# Altium PCB OpenCore_Carrier_Board.PcbDoc (part 3 of 5)
Units mm, origin at the board's own origin, x right, y up, seen from the top; angles counter-clockwise.
Board outline 161.24 x 91.44 mm, 6 copper layers (TOP, L2 GND, L3 PWR, L4 SIG, L5 GND, BOT), stack 1.538 mm thick; 268 components, 173 nets, 1302 pads, 1165 vias.
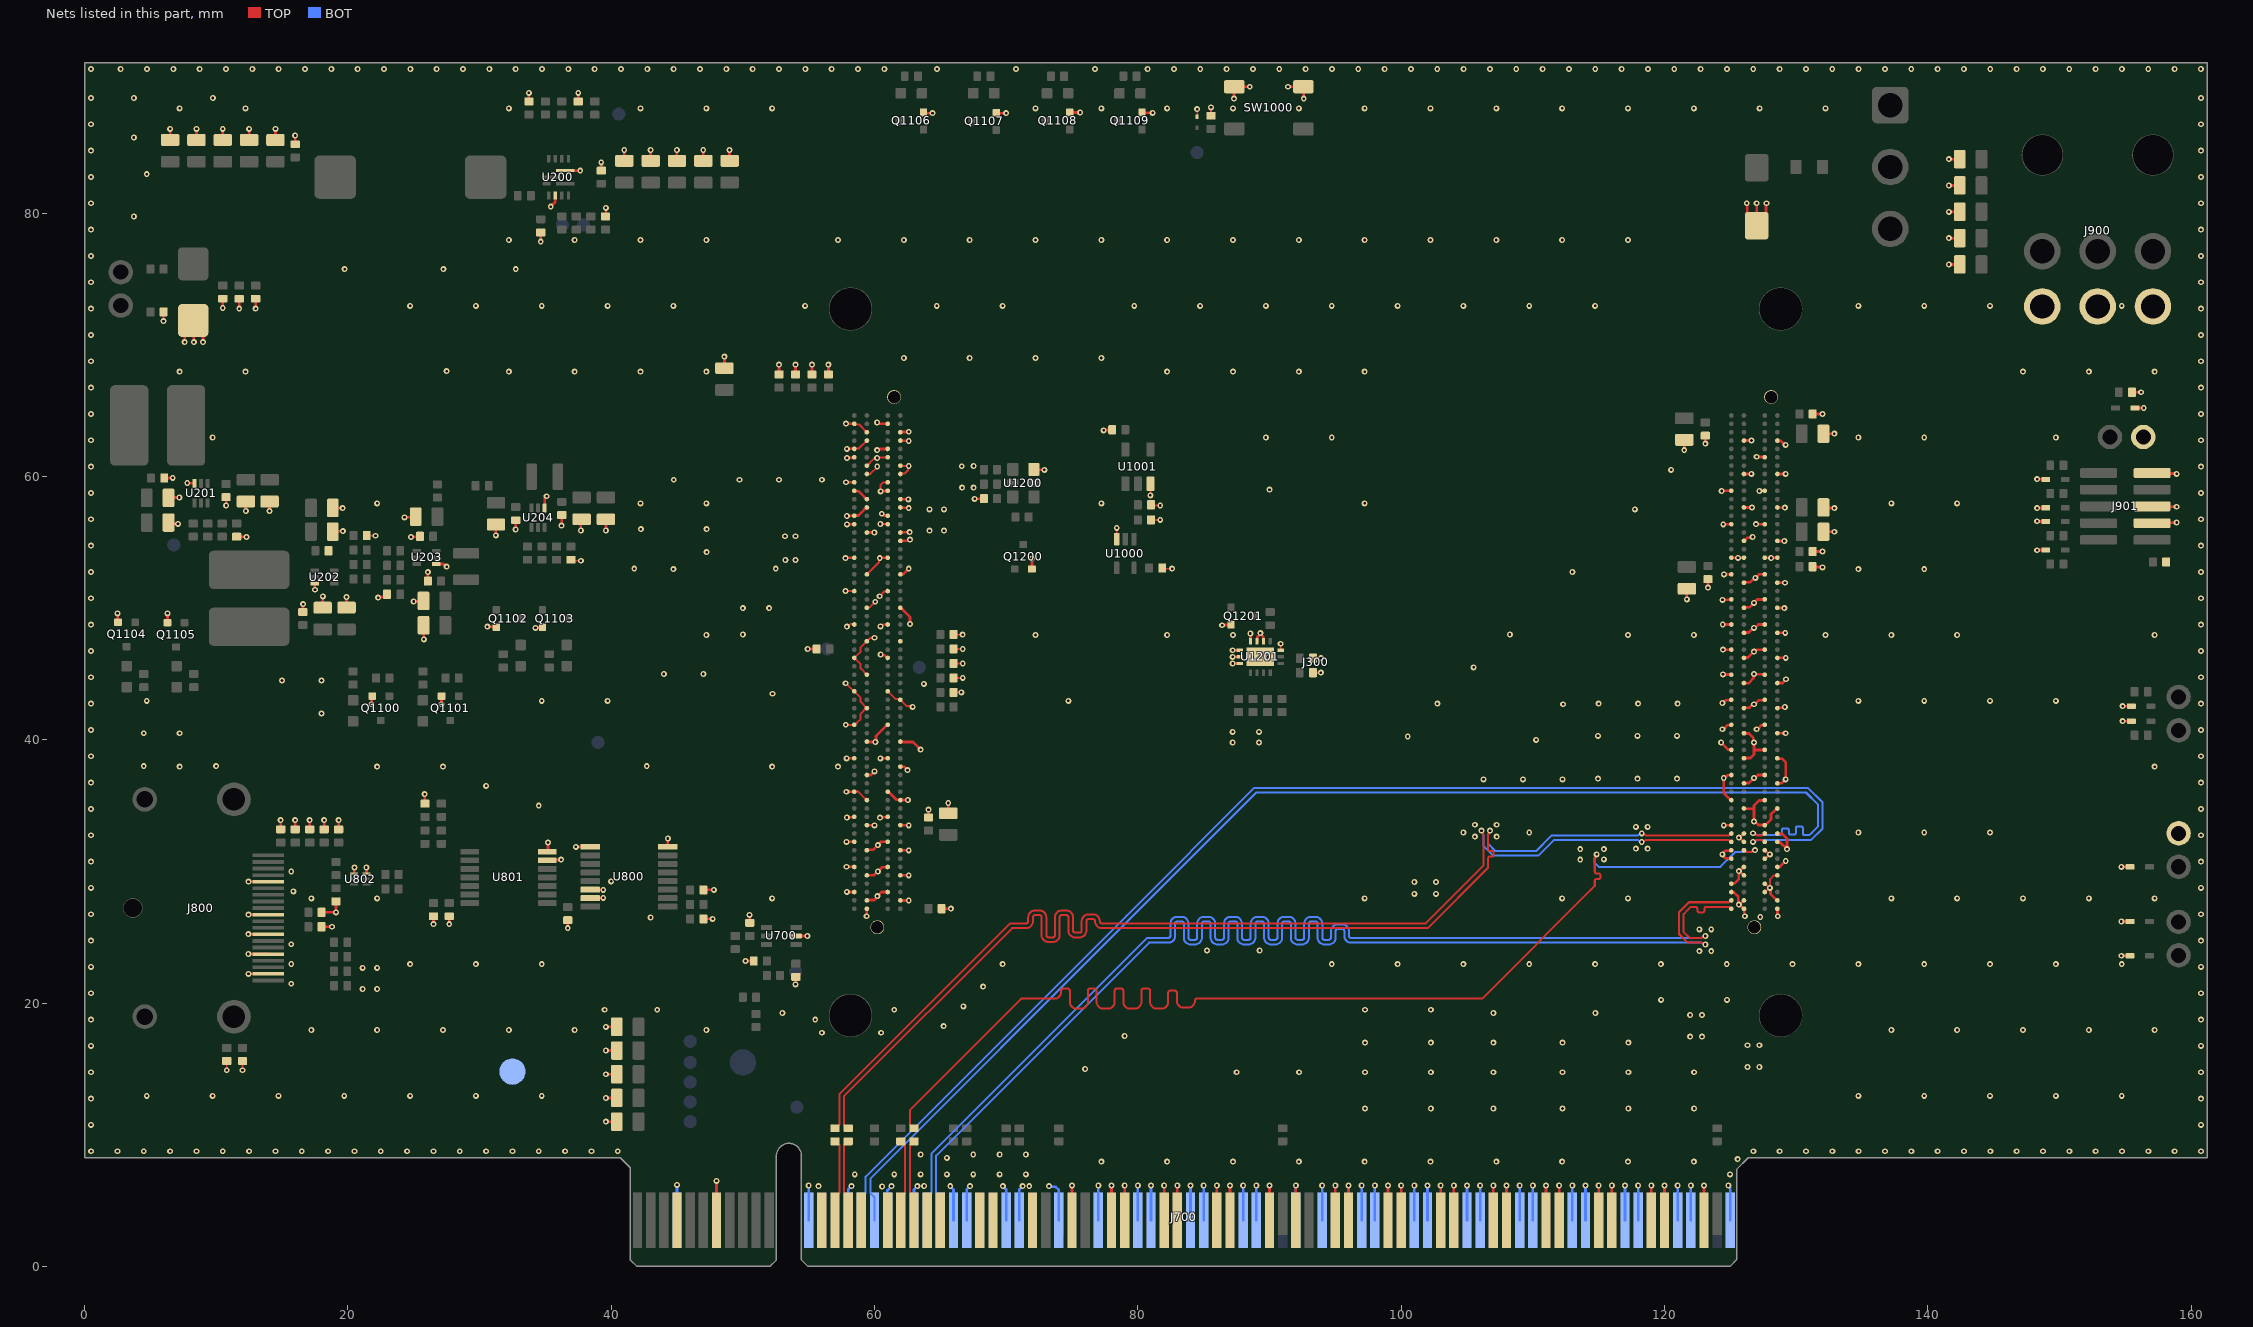
[diagram p7: the nets of this part, all layers, seen from the top]

## Via types
v1: diameter 0.45, hole 0.2, TOP to BOT, tented both sides, 1165 vias

## Nets (pads, with @x,y where several pads share a name; then routed paths per layer and width w, separated by ;. In a path a pad name is that pad's centre, name@x,y a point inside that pad or via, vN(x,y) a via of type N, cw(c..) or ccw(c..) an arc to the next point about the centre after c; other vN are vias at no path point) (continued)
GND: C202.2 C203.2 C204.2 C205.2 C206.2 C207.2 C208.2 C209.2 C210.2 C211.2 C212.2 C213.2 C214.2 C215.2 C218.2 C219.2 C220.2 C221.2 C222.2 C223.2 C224.2 C225.2 C226.2 C227.2 C230.2 C231.2 C232.2 C233.2 C234.2 C235.2 C236.2 C237.2 C238.2 C239.2 C240.2 C241.2 C300.2 C301.2 C302.2 C303.2 C304.2 C400.2 C401.2 C402.2 C403.2 C500.2 C501.2 C502.2 C503.2 C600.2 C601.2 C602.2 C603.2 C604.2 C605.2 C700.2 C701.2 C710.2 C711.2 C712.2 C713.2 C714.2 C802.2 C804.2 C805.2 C809.2 C810.2 C811.2 C812.2 C813.2 C900.2 C901.2 C902.2 C903.2 C904.2 C905.2 C906.2 C907.2 C908.2 C1000.2 C1001.2 C1002.2 C1003.2 C1004.2 C1200.2 C1201.2 C1202.2 D304.A D305.A D400.A D401.A D402.A D900.K D901.A D902.A D903.A D904.A D905.A D906.A D1000.K J300.S1_A2 J300.S1_A5 J300.S1_A8 J300.S1_A11 J300.S1_A14 J300.S1_A18 J300.S1_A21 J300.S1_A26 J300.S1_A33 J300.S1_A37 J300.S1_A41 J300.S1_A45 J300.S1_A46 J300.S1_A49 J300.S1_A50 J300.S1_A53 J300.S1_A54 J300.S1_A57 J300.S1_A58 J300.S1_B3 J300.S1_B6 J300.S1_B9 J300.S1_B12 J300.S1_B15 J300.S1_B19 J300.S1_B23 J300.S1_B27 J300.S1_B31 J300.S1_B35 J300.S1_B39 J300.S1_B43 J300.S1_B47 J300.S1_B48 J300.S1_B51 J300.S1_B52 J300.S1_B55 J300.S1_B56 J300.S1_B59 J300.S1_C1 J300.S1_C2 J300.S1_C5 J300.S1_C8 J300.S1_C11 J300.S1_C14 J300.S1_C17 J300.S1_C21 J300.S1_C25 J300.S1_C29 J300.S1_C33 J300.S1_C37 J300.S1_C41 J300.S1_C46 J300.S1_C49 J300.S1_C50 J300.S1_C53 J300.S1_C54 J300.S1_C57 J300.S1_C58 J300.S1_D3 J300.S1_D6 J300.S1_D9 J300.S1_D12 J300.S1_D15 J300.S1_D19 J300.S1_D23 J300.S1_D27 J300.S1_D31 J300.S1_D35 J300.S1_D39 J300.S1_D43 J300.S1_D47 J300.S1_D48 J300.S1_D51 J300.S1_D52 J300.S1_D55 J300.S1_D56 J300.S1_D59 J300.S1_SH1 J300.S1_SH2 J300.S2_A1 J300.S2_A2 J300.S2_A5 J300.S2_A6 J300.S2_A9 J300.S2_A10 J300.S2_A13 J300.S2_A16 J300.S2_A19 J300.S2_A22 J300.S2_A25 J300.S2_A28 J300.S2_A31 J300.S2_A34 J300.S2_A37 J300.S2_A40 J300.S2_A43 J300.S2_A45 J300.S2_A49 J300.S2_A53 J300.S2_A57 J300.S2_B3 J300.S2_B4 J300.S2_B7 J300.S2_B8 J300.S2_B11 J300.S2_B14 J300.S2_B17 J300.S2_B20 J300.S2_B23 J300.S2_B26 J300.S2_B29 J300.S2_B32 J300.S2_B35 J300.S2_B38 J300.S2_B41 J300.S2_B43 J300.S2_B47 J300.S2_B51 J300.S2_B55 J300.S2_C1 J300.S2_C2 J300.S2_C5 J300.S2_C6 J300.S2_C9 J300.S2_C10 J300.S2_C13 J300.S2_C16 J300.S2_C19 J300.S2_C22 J300.S2_C25 J300.S2_C28 J300.S2_C31 J300.S2_C34 J300.S2_C37 J300.S2_C40 J300.S2_C43 J300.S2_C45 J300.S2_C49 J300.S2_C53 J300.S2_C57 J300.S2_D3 J300.S2_D4 J300.S2_D7 J300.S2_D8 J300.S2_D11 J300.S2_D14 J300.S2_D17 J300.S2_D20 J300.S2_D23 J300.S2_D26 J300.S2_D29 J300.S2_D32 J300.S2_D35 J300.S2_D38 J300.S2_D41 J300.S2_D43 J300.S2_D47 J300.S2_D51 J300.S2_SH1 J300.S2_SH2 J401.2 J403.2 J700.A4 J700.A12 J700.A15 J700.A18 J700.A20 J700.A23 J700.A24 J700.A27 J700.A28 J700.A31 J700.A34 J700.A37 J700.A38 J700.A41 J700.A42 J700.A45 J700.A46 J700.A49 J700.A51 J700.A54 J700.A55 J700.A58 J700.A59 J700.A62 J700.A63 J700.A66 J700.A67 J700.A70 J700.A71 J700.A74 J700.A75 J700.A78 J700.A79 J700.A82 J700.B4 J700.B7 J700.B13 J700.B16 J700.B18 J700.B21 J700.B22 J700.B25 J700.B26 J700.B29 J700.B32 J700.B35 J700.B36 J700.B39 J700.B40 J700.B43 J700.B44 J700.B47 J700.B49 J700.B52 J700.B53 J700.B56 J700.B57 J700.B60 J700.B61 J700.B64 J700.B65 J700.B68 J700.B69 J700.B72 J700.B73 J700.B76 J700.B77 J700.B80 J800.2 J800.5 J800.8 J800.11 J800.16 J900.4 J900.5 J900.6 J901.3 J901.5 J901.9 Q1100.2 Q1101.2 Q1102.2 Q1103.2 Q1104.2 Q1105.2 Q1106.2 Q1107.2 Q1108.2 Q1109.2 Q1200.2 Q1201.2 R204.2 R205.2 R211.2 R212.2 R219.2 R220.2 R300.2 R301.2 R302.2 R303.2 R304.2 R402.2 R708.2 R801.2 R805.2 R806.2 R807.2 R808.2 R809.2 R811.2 R812.2 R905.2 SW1000.1 SW1000.2 TP707.1 U200.2 U200.10 U201.3 U202.3 U203.1 U204.1 U700.2 U800.8 U800.9 U800.14 U800.15 U801.6 U801.7 U802.3 U802.4 U1000.3 U1001.3 U1200.3 U1201.2 U1201.3 U1201.4 U1201.5 U1201.6 U1201.7 U1201.14 U1201.15 | length 431.8
  TOP w0.127: v1(6,71.8) R905.2@6,72.5 ; v1(10.8,14.9) C809.2@10.8,15.6 ; v1(12,14.9) R809.2@12,15.6 ; R212.2@21.432,55.511 21.443,55.5 v1(22.1,55.5) ; R220.2@36.95,53.675 37.025,53.6 v1(37.7,53.6) ; R205.2@39.567,79.751 39.6,79.784 v1(39.6,80.4) ; C403.2@65.9,43.6 C403.2@66,43.6 v1(66.6,43.6) ; R303.2@66,44.7 v1(66.7,44.7) ; R302.2@66,45.8 v1(66.7,45.8) ; R301.2@66,46.9 v1(66.7,46.9) ; R300.2@66,48 66.011,47.989 v1(66.689,47.989) ; U1000.3@78.4,55.25 v1(78.4,56.1) ; U1001.3@80.95,59.45 80.956,59.444 v1(80.956,58.563) ; C1000.2@81,56.7 v1(81.7,56.7) ; C1002.2@81,57.85 81.05,57.8 v1(81.7,57.8) ; C1001.2@81.85,53.05 81.9,53 v1(82.6,53) ; D1000.K@84.5,87.32 v1(84.5,87.9) ; C1003.2@85.55,87.4 85.555,87.405 v1(85.555,88.037) ; v1(90.846,47.297) 90.846,46.804 U1201.14@90.85,46.8
  TOP w0.152: v1(39.247,83.862) 39.247,83.237 C207.2@39.251,83.233 ; v1(57.8,51.3) 57.801,51.299 58.462,51.299 J300.S1_D39@58.463,51.297 ; v1(57.806,44.295) 58.424,43.677 J300.S1_D27@58.463,43.677 58.47,43.677 58.943,43.205 58.943,42.88 59.416,42.407 J300.S1_C25@59.423,42.407 59.394,42.378 59.351,42.378 58.943,41.971 58.943,41.574 58.662,41.293 58.66,41.293 58.504,41.137 J300.S1_D23@58.463,41.137 58.459,41.141 57.82,41.141 v1(57.817,41.145) ; v1(57.9,48.6) 57.981,48.6 58.165,48.785 58.436,48.785 J300.S1_D35@58.463,48.757 ; J300.S1_D15@58.463,36.057 58.781,36.057 59.416,35.422 J300.S1_C14@59.423,35.422 ; J300.S1_D31@58.463,46.217 J300.S1_D31@58.47,46.217 ; J300.S1_D56@58.463,62.092 58.502,62.131 58.82,62.131 59.416,62.727 J300.S1_C57@59.423,62.727 ; J300.S1_D59@58.463,63.997 58.502,63.959 58.82,63.959 59.416,63.362 J300.S1_C58@59.423,63.362 ; J300.S1_C29@59.423,44.947 59.416,44.947 58.943,45.42 58.943,45.745 J300.S1_D31@58.47,46.217 ; J300.S1_C37@59.423,50.027 59.462,50.066 59.637,50.066 v1(60.055,50.484) ; J300.S1_C41@59.423,52.567 59.43,52.567 60.343,53.48 60.343,53.743 v1(60.4,53.8) ; J300.S1_C53@59.423,60.187 59.429,60.194 59.687,60.194 60.206,60.713 v1(60.206,60.762) ; J300.S1_C54@59.423,60.822 59.43,60.822 59.951,61.343 60.143,61.343 v1(60.2,61.4) 60.229,61.429 60.974,61.429 J300.S1_B55@61.003,61.457 ; v1(60,47.75) 59.983,47.733 59.669,47.733 J300.S1_C33@59.423,47.487 59.416,47.487 58.943,47.015 58.943,46.69 J300.S1_D31@58.47,46.217 ; v1(60.392,50.903) 60.759,51.271 60.976,51.271 J300.S1_B39@61.003,51.297 ; v1(60.44,56.388) 60.445,56.383 60.998,56.383 J300.S1_B47@61.003,56.377 ; v1(60.458,48.622) 60.538,48.622 60.674,48.757 J300.S1_B35@61.003,48.757 ; v1@60.491,58.896 v1(60.469,58.874) 60.469,59.369 60.652,59.552 J300.S1_B52@61.003,59.552 ; J300.S1_B27@61.003,43.677 61.01,43.677 61.606,43.081 61.924,43.081 J300.S1_A26@61.963,43.042 61.97,43.042 62.456,42.557 62.843,42.557 v1(62.9,42.5) ; J300.S1_A53@61.963,60.187 62.002,60.226 62.311,60.226 62.543,60.459 62.543,60.743 v1(62.6,60.8) 62.589,60.811 61.974,60.811 J300.S1_A54@61.963,60.822 ; v1(128,28.755) 128.02,28.775 128.02,29.411 128.309,29.7 128.568,29.7 J300.S2_A5@128.575,29.707 ; J300.S2_A49@128.575,57.647 128.579,57.643 129.142,57.643 v1(129.146,57.639)
  TOP w0.203: v1(2.5,49.6) 2.525,49.575 2.525,48.95 Q1104.2@2.55,48.925 ; C224.2@6.053,59.877 6.064,59.888 6.688,59.888 v1(6.7,59.9) ; Q1105.2@6.3,48.9 v1(6.3,49.6) ; C238.2@6.378,56.5 6.478,56.4 v1(7.1,56.4) ; C225.2@6.378,58.377 6.401,58.4 v1(7.2,58.4) ; v1(6.5,86.4) 6.5,85.559 C213.2@6.501,85.558 ; v1(7.6,70.2) 7.6,71.2 D903.A@8.25,71.85 D903.A@8.3,71.8 ; v1(7.8,59.5) 7.816,59.484 8.336,59.484 U201.3@8.353,59.467 ; v1(8.3,70.2) D903.A@8.3,71.8 ; v1(8.5,86.4) 8.5,85.559 C212.2@8.501,85.558 ; v1(9,70.2) 9,71.1 D903.A@8.3,71.8 ; v1(10.5,72.8) C908.2@10.5,73.5 ; v1(10.5,86.4) 10.5,85.559 C211.2@10.501,85.558 ; v1(10.753,57.8) C220.2@10.753,58.427 ; R211.2@11.553,55.427 11.567,55.414 12.287,55.414 v1(12.3,55.4) ; v1(11.75,72.75) C907.2@11.75,73.5 ; v1(12.253,57.375) C219.2@12.253,58.102 ; v1(12.443,23.736) 12.449,23.731 13.944,23.731 J800.5@13.95,23.725 J800.5@13.963,23.713 ; v1(12.443,25.236) 12.449,25.231 13.944,25.231 J800.8@13.95,25.225 ; v1(12.456,22.225) J800.2@13.95,22.225 ; v1(12.456,26.725) J800.11@13.95,26.725 ; v1(12.456,29.225) J800.16@13.95,29.225 ; v1(12.5,86.4) C210.2@12.5,85.559 ; v1(13,72.75) C906.2@13,73.5 ; v1(14.053,57.375) C218.2@14.053,58.102 ; v1(14.5,86.4) 14.5,85.559 C209.2@14.501,85.558 ; C805.2@14.9,33.2 v1(14.9,33.9) ; C804.2@16,33.2 v1(16,33.9) ; v1(16,85.9) 16,85.234 C208.2@16.001,85.233 ; C226.2@16.582,49.711 16.591,49.72 16.591,50.291 v1(16.6,50.3) ; R806.2@17.1,33.2 v1(17.1,33.9) ; U202.3@17.492,51.861 17.496,51.857 17.496,51.404 v1(17.5,51.4) ; R807.2@18,25.8 v1(18.8,25.8) ; R808.2@18,26.9 v1(19.1,26.9) R805.2@19.1,27.725 ; C227.2@18.082,50.036 18.1,50.054 v1(18.1,50.9) ; C813.2@18.2,33.2 v1(18.2,33.9) ; C222.2@18.857,55.811 18.896,55.85 v1(19.618,55.85) ; C221.2@18.857,57.611 18.868,57.6 v1(19.6,57.6) ; R812.2@19.3,33.2 v1(19.3,33.9) ; C239.2@19.9,50.036 v1(19.9,50.845) ; U802.4@20.488,29.827 20.488,30.288 v1(20.5,30.3) ; v1(21.4,30.3) 21.413,30.287 U802.3@21.413,29.827 ; v1(21.8,42.7) 21.825,42.725 21.825,43.288 Q1100.2@21.85,43.313 ; v1(22.3,50.8) 22.347,50.847 22.78,50.847 22.978,51.046 R219.2@22.978,51.054 ; v1(24.3,56.9) 25.099,56.9 C230.2@25.153,56.954 ; v1(24.8,55.4) 24.827,55.427 25.451,55.427 C231.2@25.478,55.454 ; v1(25,50.5) 25.699,50.5 C237.2@25.753,50.554 ; C241.2@25.753,48.7 25.771,48.682 v1(25.771,47.635) ; v1(25.835,35.87) 25.843,35.863 25.843,35.157 R801.2@25.85,35.15 ; C236.2@26.078,52.054 26.078,52.73 v1(26.081,52.733) ; v1(26.5,26) C811.2@26.5,26.6 ; U203.1@26.718,53.354 27.267,53.354 27.471,53.15 v1(27.5,53.15) ; v1(27.1,42.7) 27.112,42.712 27.112,43.301 Q1101.2@27.124,43.313 ; v1(27.7,26) C810.2@27.7,26.6 ; v1(30.6,48.6) 30.625,48.575 31.25,48.575 Q1102.2@31.275,48.55 ; v1(31.242,55.523) 31.242,56.342 C232.2@31.25,56.35 ; v1(32.743,55.978) 32.746,55.982 32.746,56.671 C233.2@32.75,56.675 ; C215.2@33.751,88.483 v1(33.751,89.133) ; v1(34.255,48.5) 34.28,48.525 34.75,48.525 Q1103.2@34.775,48.55 ; v1(34.651,77.833) C214.2@34.651,78.533 ; U204.1@34.95,57.615 34.95,58.283 35.1,58.433 v1(35.1,58.5) ; U801.6@35.15,30.85 35.175,30.875 36.175,30.875 v1(36.2,30.9) ; U801.7@35.15,31.5 35.2,31.55 v1(35.2,32.2) ; v1(35.407,80.493) 35.407,80.512 35.751,80.856 U200.10@35.751,81.333 ; v1(36.223,56.269) 36.236,56.283 36.236,57.061 C234.2@36.25,57.075 ; U200.2@36.501,83.233 v1(37.651,83.233) ; v1(36.7,25.7) C802.2@36.7,26.3 ; v1(37.317,31.873) U800.9@38.412,31.875 ; R204.2@37.501,88.483 v1(37.5,89.137) ; v1(37.7,55.9) 37.7,56.7 C235.2@37.75,56.75 ; U800.15@38.412,27.975 38.425,27.988 39.388,27.988 v1(39.4,28) ; U800.14@38.412,28.625 38.425,28.613 39.388,28.613 v1(39.4,28.6) ; v1(39.6,11) C714.2@40.425,11 ; v1(39.6,12.8) C713.2@40.425,12.8 ; v1(39.6,14.6) C712.2@40.425,14.6 ; v1(39.6,16.4) C711.2@40.425,16.4 ; v1(39.6,18.2) C710.2@40.425,18.2 ; v1(39.6,55.9) C240.2@39.6,56.75 ; v1(40.991,84.799) 40.991,83.978 C206.2@40.997,83.972 ; v1(42.991,84.799) 42.991,83.978 C205.2@42.997,83.972 ; U800.8@44.288,31.875 44.3,31.887 v1(44.3,32.5) ; v1(44.991,84.799) 44.991,83.978 C204.2@44.997,83.972 ; v1(46.991,84.799) 46.991,83.978 C203.2@46.997,83.972 ; C812.2@47,26.4 v1(47.7,26.4) ; R811.2@47,28.6 v1(47.8,28.6) ; J700.B7@48,3.5 v1(48,6.5) ; C302.2@48.6,68.225 v1(48.6,69.1) ; v1(48.991,84.799) 48.991,83.978 C202.2@48.997,83.972 ; v1(50.2,23.2) C701.2@50.825,23.2 ; v1(50.5,26.7) 50.512,26.688 50.512,26.112 R708.2@50.525,26.1 ; C301.2@52.75,68 v1(52.75,68.5) ; v1(54,21.421) 54.013,21.434 54.013,21.987 C700.2@54.025,22 ; C300.2@54,68 v1(54,68.5) ; U700.2@54.05,25.1 v1(54.9,25.1) ; v1(54.925,46.9) R402.2@55.6,46.9 ; C400.2@55.25,68 v1(55.25,68.5) ; C401.2@56.5,68 v1(56.5,68.5) ; v1(57.8,53.8) 57.819,53.819 58.444,53.819 J300.S1_D43@58.463,53.837 ; v1(57.833,64.016) 57.843,64.007 58.454,64.007 J300.S1_D59@58.463,63.997 ; v1(57.837,59.563) 57.842,59.558 58.458,59.558 J300.S1_D52@58.463,59.552 ; v1(57.862,36.055) 57.863,36.056 58.462,36.056 J300.S1_D15@58.463,36.057 ; v1(57.872,30.358) 57.88,30.35 58.455,30.35 J300.S1_D6@58.463,30.342 ; v1(57.874,32.248) J300.S1_D9@58.463,32.247 ; v1(57.888,38.593) 57.89,38.595 58.461,38.595 J300.S1_D19@58.463,38.597 ; v1(57.897,28.45) 57.903,28.444 58.457,28.444 J300.S1_D3@58.463,28.437 ; v1(57.9,34.1) 57.926,34.126 58.437,34.126 J300.S1_D12@58.463,34.152 ; v1(57.9,57) 57.906,57.006 58.457,57.006 J300.S1_D48@58.463,57.012 58.492,57.042 58.774,57.042 59.224,57.492 59.226,57.492 59.382,57.647 J300.S1_C49@59.423,57.647 ; v1(57.9,62.1) 57.904,62.096 58.459,62.096 J300.S1_D56@58.463,62.092 ; v1(57.909,56.365) 57.915,56.371 58.457,56.371 J300.S1_D47@58.463,56.377 ; v1(57.915,61.408) 57.94,61.433 58.438,61.433 J300.S1_D55@58.463,61.457 ; J300.S1_D51@58.463,58.917 58.492,58.888 58.774,58.888 59.224,58.438 59.226,58.438 59.382,58.282 J300.S1_C50@59.423,58.282 ; v1(59.4,26.6) 59.411,26.611 59.411,27.156 J300.S1_C1@59.423,27.167 ; J300.S1_C2@59.423,27.802 59.452,27.832 59.979,27.832 v1@60.272,28.125 ; J300.S1_C5@59.423,29.707 59.438,29.723 59.973,29.723 v1(60.25,30) 60.563,30.313 60.974,30.313 J300.S1_B6@61.003,30.342 ; J300.S1_C8@59.423,31.612 59.452,31.642 59.892,31.642 v1(60.25,32) 60.25,32.005 60.492,32.247 J300.S1_B9@61.003,32.247 ; J300.S1_C11@59.423,33.517 59.432,33.509 59.991,33.509 v1(60,33.5) ; J300.S1_C17@59.423,37.327 59.727,37.327 v1(60,37.6) ; J300.S1_C21@59.423,39.867 59.452,39.838 60.059,39.838 v1(60.068,39.829) 60.115,39.877 60.115,40.293 60.804,40.982 60.806,40.982 60.962,41.137 J300.S1_B23@61.003,41.137 ; J300.S1_C46@59.423,55.742 J300.S1_C46@59.423,55.742 59.982,55.744 v1(59.983,55.745) ; v1(60.2,62) 60.267,62 60.359,62.092 J300.S1_B56@61.003,62.092 ; v1(60.2,64.1) 60.267,64.1 60.369,63.997 J300.S1_B59@61.003,63.997 ; v1@60.231,28.125 60.544,28.437 J300.S1_B3@61.003,28.437 ; v1(60.4,53.8) 60.419,53.819 60.984,53.819 J300.S1_B43@61.003,53.837 ; v1(60.421,34.091) 60.454,34.123 60.974,34.123 J300.S1_B12@61.003,34.152 ; v1(60.446,38.59) 60.449,38.594 60.999,38.594 J300.S1_B19@61.003,38.597 ; v1(60.465,46.475) 60.512,46.428 60.751,46.428 60.962,46.217 J300.S1_B31@61.003,46.217 ; v1@60.491,58.896 60.981,58.896 J300.S1_B51@61.003,58.917 ; v1(60.55,57.171) 60.617,57.171 60.747,57.042 60.974,57.042 J300.S1_B48@61.003,57.012 ; J300.S1_B15@61.003,36.057 61.044,36.057 61.2,35.902 61.202,35.902 61.652,35.452 61.934,35.452 J300.S1_A14@61.963,35.422 61.966,35.425 62.535,35.425 v1(62.537,35.428) ; J300.S1_A2@61.963,27.802 61.964,27.801 62.599,27.801 v1(62.6,27.8) ; J300.S1_A5@61.963,29.707 61.967,29.704 62.596,29.704 v1(62.6,29.7) ; J300.S1_A8@61.963,31.612 61.969,31.606 62.594,31.606 v1(62.6,31.6) ; J300.S1_A11@61.963,33.517 61.972,33.509 62.591,33.509 v1(62.6,33.5) ; J300.S1_A18@61.963,37.962 62.242,37.962 v1(62.503,37.702) ; J300.S1_A21@61.963,39.867 61.99,39.84 62.91,39.84 v1(63.5,39.25) ; J300.S1_A37@61.963,50.027 62.004,50.027 62.16,49.872 62.162,49.872 62.7,49.334 v1(62.7,48.795) ; J300.S1_A41@61.963,52.567 61.992,52.597 62.197,52.597 v1(62.6,53) ; J300.S1_A45@61.963,55.107 62.541,55.107 62.633,55.2 v1(62.7,55.2) ; J300.S1_A46@61.963,55.742 61.992,55.771 v1(62.671,55.771) ; J300.S1_A49@61.963,57.647 61.987,57.624 62.576,57.624 v1(62.6,57.6) ; J300.S1_A50@61.963,58.282 61.975,58.27 62.556,58.27 v1(62.569,58.258) ; J300.S1_A57@61.963,62.727 61.977,62.714 62.586,62.714 v1(62.6,62.7) ; J300.S1_A58@61.963,63.362 61.982,63.381 62.581,63.381 v1(62.6,63.4) ; Q1106.2@63.725,87.65 63.775,87.6 v1(64.4,87.6) ; C303.2@64.1,34.1 v1(64.1,34.7) ; R304.2@65.1,27.175 v1(65.8,27.175) ; C304.2@65.6,34.425 v1(65.6,35.2) ; v1(67.6,58.3) 67.609,58.309 68.296,58.309 C1200.2@68.305,58.317 ; Q1107.2@69.25,87.625 69.275,87.6 v1(70,87.6) ; Q1200.2@71.95,52.975 71.956,52.981 71.956,53.755 v1(71.962,53.761) ; U1200.3@72.105,60.542 72.147,60.5 v1(72.9,60.5) ; Q1108.2@74.829,87.646 v1(75.614,87.646) ; J700.B32@75,3.5 v1(75,6.15) ; v1(77.4,63.5) 77.425,63.525 78.025,63.525 C1004.2@78.05,63.55 ; J700.B35@78,3.5 v1(78,6.15) ; J700.B36@79,3.5 v1(79,6.15) ; Q1109.2@80.325,87.65 80.354,87.621 v1(81.122,87.621) ; J700.B39@82,3.5 v1(82,6.15) ; J700.B40@83,3.5 v1(83,6.15) ; J700.B43@86,3.5 v1(86,6.15) ; v1(86.4,48.7) 86.425,48.725 87.05,48.725 Q1201.2@87.075,48.75 ; J700.B44@87,3.5 v1(87,6.15) ; v1(87.2,45.8) U1201.7@87.75,45.8 ; v1(87.2,46.3) U1201.6@87.75,46.3 ; v1(87.2,46.8) U1201.5@87.75,46.8 ; v1(87.3,88.7) 87.3,89.575 SW1000.1@87.325,89.6 v1(88.5,89.6) ; U1201.4@88.55,47.5 v1(88.55,48.075) ; U1201.3@89.05,47.5 89.073,47.523 89.073,47.811 v1@89.3,48.038 ; U1201.2@89.55,47.5 89.527,47.523 89.527,47.811 v1@89.3,48.038 ; J700.B47@90,3.5 v1(90,6.15) ; v1(91.4,89.6) SW1000.2@92.575,89.6 92.6,89.575 v1(92.6,88.7) ; J700.B49@92,3.5 v1(92,6.15) ; C1201.2@93.3,45.1 v1(93.9,45.1) ; C1202.2@93.3,46.2 v1(93.9,46.2) ; J700.B52@95,3.5 v1(95,6.15) ; J700.B53@96,3.5 v1(96,6.15) ; J700.B56@99,3.5 v1(99,6.15) ; J700.B57@100,3.5 v1(100,6.15) ; J700.B60@103,3.5 v1(103,6.15) ; J700.B61@104,3.5 v1(104,6.15) ; J700.B64@107,3.5 v1(107,6.15) ; J700.B65@108,3.5 v1(108,6.15) ; J700.B68@111,3.5 v1(111,6.15) ; J700.B69@112,3.5 v1(112,6.15) ; J700.B72@115,3.5 v1(115,6.15) ; J700.B73@116,3.5 v1(116,6.15) ; J700.B76@119,3.5 v1(119,6.15) ; J700.B77@120,3.5 v1(120,6.15) ; C605.2@121.025,62.475 121.452,62.475 121.5,62.427 v1(121.5,62) ; v1(121.697,50.666) 121.697,51.472 C603.2@121.7,51.475 ; J700.B80@123,3.5 v1(123,6.15) ; v1(123.1,62.5) C604.2@123.1,63.2 ; v1(123.3,51.556) C602.2@123.3,52.2 ; v1(124.3,39.8) 124.838,39.262 125.046,39.262 J300.S2_D20@125.075,39.232 ; v1(124.337,58.902) 124.345,58.91 125.067,58.91 J300.S2_D51@125.075,58.917 ; v1(124.4,40.8) 124.467,40.8 124.775,41.108 125.046,41.108 J300.S2_D23@125.075,41.137 ; v1(124.4,42.8) 124.467,42.8 124.68,43.013 125.046,43.013 J300.S2_D26@125.075,43.042 ; v1(124.404,50.634) 124.418,50.648 125.061,50.648 J300.S2_D38@125.075,50.662 ; v1(124.425,48.754) 124.427,48.755 125.073,48.755 J300.S2_D35@125.075,48.757 ; v1(124.438,44.972) 124.451,44.96 125.063,44.96 J300.S2_D29@125.075,44.947 ; v1(124.438,46.849) 124.44,46.851 125.073,46.851 J300.S2_D32@125.075,46.852 ; v1(124.462,56.359) 124.472,56.368 125.066,56.368 J300.S2_D47@125.075,56.377 ; v1(124.5,33.5) 124.509,33.509 125.066,33.509 J300.S2_D11@125.075,33.517 ; v1(124.523,52.565) v1(124.523,52.565) 125.074,52.566 J300.S2_D41@125.075,52.567 ; J300.S2_D3@125.075,28.437 125.104,28.408 125.277,28.408 125.603,28.082 125.603,27.532 v1(125.65,27.485) v1@125.684,27.485 ; J300.S2_D4@125.075,29.072 125.098,29.095 125.329,29.095 125.65,29.417 v1(125.65,30.025) ; J300.S2_D7@125.075,30.977 125.052,31 124.642,31 124.4,31.242 124.4,31.341 124.642,31.583 125.046,31.583 J300.S2_D8@125.075,31.612 ; J300.S2_D14@125.075,35.422 125.034,35.422 124.878,35.578 124.876,35.578 124.5,35.954 v1(124.5,37.1) 124.567,37.1 124.765,37.298 125.046,37.298 J300.S2_D17@125.075,37.327 ; J300.S2_D43@125.075,53.837 125.086,53.827 125.577,53.827 v1(125.588,53.816) 125.598,53.827 126.024,53.827 J300.S2_C43@126.035,53.837 ; v1(125.65,32.565) v1@125.684,32.565 ; J300.S2_C2@126.035,27.802 126.001,27.802 v1@125.684,27.485 ; J300.S2_C5@126.035,29.707 126.001,29.707 125.684,30.025 126.001,30.342 J300.S2_C6@126.035,30.342 ; J300.S2_C9@126.035,32.247 126.001,32.247 v1@125.684,32.565 ; J300.S2_C10@126.035,32.882 126.001,32.882 v1@125.684,32.565 ; J300.S2_C13@126.035,34.787 126.064,34.758 126.8,34.758 ; J300.S2_C16@126.035,36.692 126.064,36.722 126.422,36.722 v1(126.8,37.1) 126.867,37.1 127.094,37.327 J300.S2_B17@127.615,37.327 ; J300.S2_C19@126.035,38.597 126.055,38.618 126.518,38.618 126.8,38.9 126.8,39.232 ; J300.S2_C22@126.035,40.502 126.064,40.473 126.427,40.473 126.753,40.147 126.753,39.847 v1(126.8,39.8) 126.8,39.232 ; J300.S2_C25@126.035,42.407 126.064,42.437 126.47,42.437 126.733,42.7 v1(126.8,42.7) 126.867,42.7 127.18,43.013 127.586,43.013 J300.S2_B26@127.615,43.042 ; J300.S2_C31@126.035,46.217 126.064,46.247 126.347,46.247 v1(126.8,46.7) 126.867,46.7 127.019,46.852 J300.S2_B32@127.615,46.852 ; J300.S2_C34@126.035,48.122 126.064,48.152 126.399,48.152 126.747,48.5 126.867,48.5 127.124,48.757 J300.S2_B35@127.615,48.757 ; J300.S2_C37@126.035,50.027 126.064,50.057 126.457,50.057 v1(126.8,50.4) ; J300.S2_C40@126.035,51.932 126.064,51.962 126.495,51.962 126.833,52.3 v1(126.9,52.3) 127.165,52.565 J300.S2_B41@127.612,52.565 ; J300.S2_C45@126.035,55.107 126.075,55.107 126.32,55.353 126.653,55.353 v1(126.7,55.4) ; J300.S2_C49@126.035,57.647 126.036,57.647 v1(126.651,57.646) v1(126.651,57.646) ; J300.S2_C53@126.035,60.187 126.041,60.194 126.594,60.194 v1(126.6,60.2) ; J300.S2_C57@126.035,62.727 126.04,62.732 126.599,62.732 v1(126.604,62.737) ; J300.S2_C28@126.047,44.301 126.401,44.301 126.777,44.677 126.777,44.977 v1(126.8,45) 126.826,44.974 127.589,44.974 J300.S2_B29@127.644,44.918 ; v1(126.1,26.6) 126.064,26.636 126.064,27.138 J300.S2_C1@126.035,27.167 126.001,27.167 v1@125.684,27.485 ; v1(126.25,80.75) 126.297,80.703 126.297,79.753 D900.K@127,79.05 ; v1@126.737,50.4 126.78,50.4 127.042,50.662 J300.S2_B38@127.615,50.662 ; v1(126.947,56.381) 126.949,56.379 127.613,56.379 J300.S2_B47@127.615,56.377 ; v1(127,40.8) 127.067,40.8 127.375,41.108 127.586,41.108 J300.S2_B23@127.615,41.137 ; v1(127,61.5) 127.021,61.479 127.594,61.479 J300.S2_B55@127.615,61.457 ; v1(127,80.75) D900.K@127,79.05 ; v1(127.2,58.9) 127.209,58.909 127.606,58.909 J300.S2_B51@127.615,58.917 ; J300.S2_B3@127.615,28.437 127.649,28.437 127.966,28.755 127.649,29.072 J300.S2_B4@127.615,29.072 ; J300.S2_B7@127.615,30.977 127.656,30.977 127.904,31.225 127.924,31.225 v1(127.998,31.299) 127.963,31.299 127.65,31.612 J300.S2_B8@127.615,31.612 ; J300.S2_B11@127.615,33.517 J300.S2_B11@127.598,33.535 ; J300.S2_B14@127.615,35.422 127.586,35.393 127.193,35.393 126.8,35 v1(126.8,33.8) 126.867,33.8 127.132,33.535 J300.S2_B11@127.598,33.535 ; J300.S2_B20@127.615,39.232 126.8,39.232 ; J300.S2_B43@127.615,53.837 127.629,53.824 128.085,53.824 v1(128.098,53.81) 128.112,53.824 128.561,53.824 J300.S2_A43@128.575,53.837 ; v1(127.75,80.75) 127.703,80.703 127.703,79.753 D900.K@127,79.05 ; v1(128,28.755) 128.047,28.708 128.047,28.287 128.376,27.958 128.378,27.958 128.534,27.802 J300.S2_A2@128.575,27.802 ; J300.S2_A1@128.575,27.167 128.588,27.155 128.588,26.612 v1(128.6,26.6) ; J300.S2_A6@128.575,30.342 128.604,30.372 128.781,30.372 v1(129.207,30.798) ; J300.S2_A9@128.575,32.247 128.604,32.218 128.782,32.218 v1(129.3,31.7) 129.3,32.5 128.947,32.853 128.604,32.853 J300.S2_A10@128.575,32.882 ; J300.S2_A13@128.575,34.787 128.534,34.787 128.378,34.632 128.376,34.632 128.095,34.35 128.095,33.954 127.687,33.547 127.61,33.547 J300.S2_B11@127.598,33.535 ; J300.S2_A16@128.575,36.692 128.892,36.692 v1(129.2,37) 129.2,38.3 128.932,38.568 128.604,38.568 J300.S2_A19@128.575,38.597 ; J300.S2_A22@128.575,40.502 128.576,40.501 v1(129.2,40.5) v1(129.2,40.5) ; J300.S2_A25@128.575,42.407 128.604,42.437 129.019,42.437 129.073,42.49 v1(129.14,42.49) ; J300.S2_A28@128.575,44.312 128.973,44.312 129.233,44.573 v1(129.233,44.6) ; J300.S2_A31@128.575,46.217 128.578,46.22 129.207,46.22 v1(129.21,46.223) ; J300.S2_A34@128.575,48.122 v1(129.172,48.123) ; J300.S2_A37@128.575,50.027 128.589,50.014 129.086,50.014 v1(129.1,50) ; J300.S2_A40@128.575,51.932 128.577,51.931 129.147,51.931 v1(129.149,51.929) ; J300.S2_A45@128.575,55.107 128.579,55.104 129.096,55.104 v1(129.1,55.1) ; J300.S2_A53@128.575,60.187 128.581,60.194 129.194,60.194 v1(129.2,60.2) ; J300.S2_A57@128.575,62.727 128.604,62.698 128.831,62.698 129.082,62.447 129.153,62.447 v1(129.2,62.4) ; C600.2@131.25,53.15 131.275,53.125 131.975,53.125 v1(132,53.1) ; C500.2@131.25,54.3 v1(132,54.3) ; C502.2@131.25,64.75 v1(132,64.75) ; C501.2@132.075,55.8 v1(132.9,55.8) ; C601.2@132.075,57.65 132.125,57.6 v1(132.9,57.6) ; C503.2@132.075,63.25 v1(132.9,63.25) ; v1(141.6,76.1) 142.421,76.1 C900.2@142.427,76.106 ; v1(141.6,78.1) 142.421,78.1 C901.2@142.427,78.106 ; v1(141.6,80.1) 142.421,80.1 C902.2@142.427,80.106 ; v1(141.6,82.1) 142.421,82.1 C903.2@142.427,82.106 ; v1(141.6,84.1) 142.421,84.1 C904.2@142.427,84.106 ; v1(148.3,54.4) 148.312,54.412 148.947,54.412 D901.A@148.96,54.425 ; v1(148.3,56.6) 148.313,56.587 148.947,56.587 D902.A@148.96,56.575 ; v1(148.3,57.6) 148.312,57.612 148.947,57.612 D904.A@148.96,57.625 ; v1(148.3,59.8) 148.313,59.787 148.947,59.787 D905.A@148.96,59.775 ; v1(154.7,23.6) D304.A@155.36,23.6 ; v1(154.7,26.2) D305.A@155.36,26.2 ; v1(154.7,30.355) D402.A@155.36,30.355 ; v1(154.8,41.417) D401.A@155.459,41.417 ; v1(154.8,42.557) D400.A@155.459,42.557 ; C402.2@155.5,66.4 v1(156.2,66.4) ; D906.A@155.74,65.2 v1(156.4,65.2) ; J901.3@157.032,56.455 157.054,56.477 158.878,56.477 v1(158.9,56.5) ; J901.5@157.032,57.725 157.044,57.713 158.887,57.713 v1(158.9,57.7) ; J901.9@157.032,60.265 157.064,60.233 158.867,60.233 v1(158.9,60.2) ; C210.2@12.5,85.559 C210.2@12.501,85.558 ; v1(37.5,89.137) v1(37.5,89.137) ; v1@89.3,48.038 v1(89.3,48.1) v1@89.3,48.038